# Altium PCB Kasli-DIOT.PCBDOC (part 6 of 21)
Units mm, origin at the board's own origin, x right, y up, seen from the top; angles counter-clockwise.
Board outline 222.34 x 100 mm, 10 copper layers (TopLayer, Layer 2, Layer 3, Layer 4, Layer 5, Layer 6, Layer 7, layer 8, Layer 9, BottomLayer), stack 1.564 mm thick; 974 components, 908 nets, 4662 pads, 2649 vias.
Unrouted connection lines stored in the file: 17.
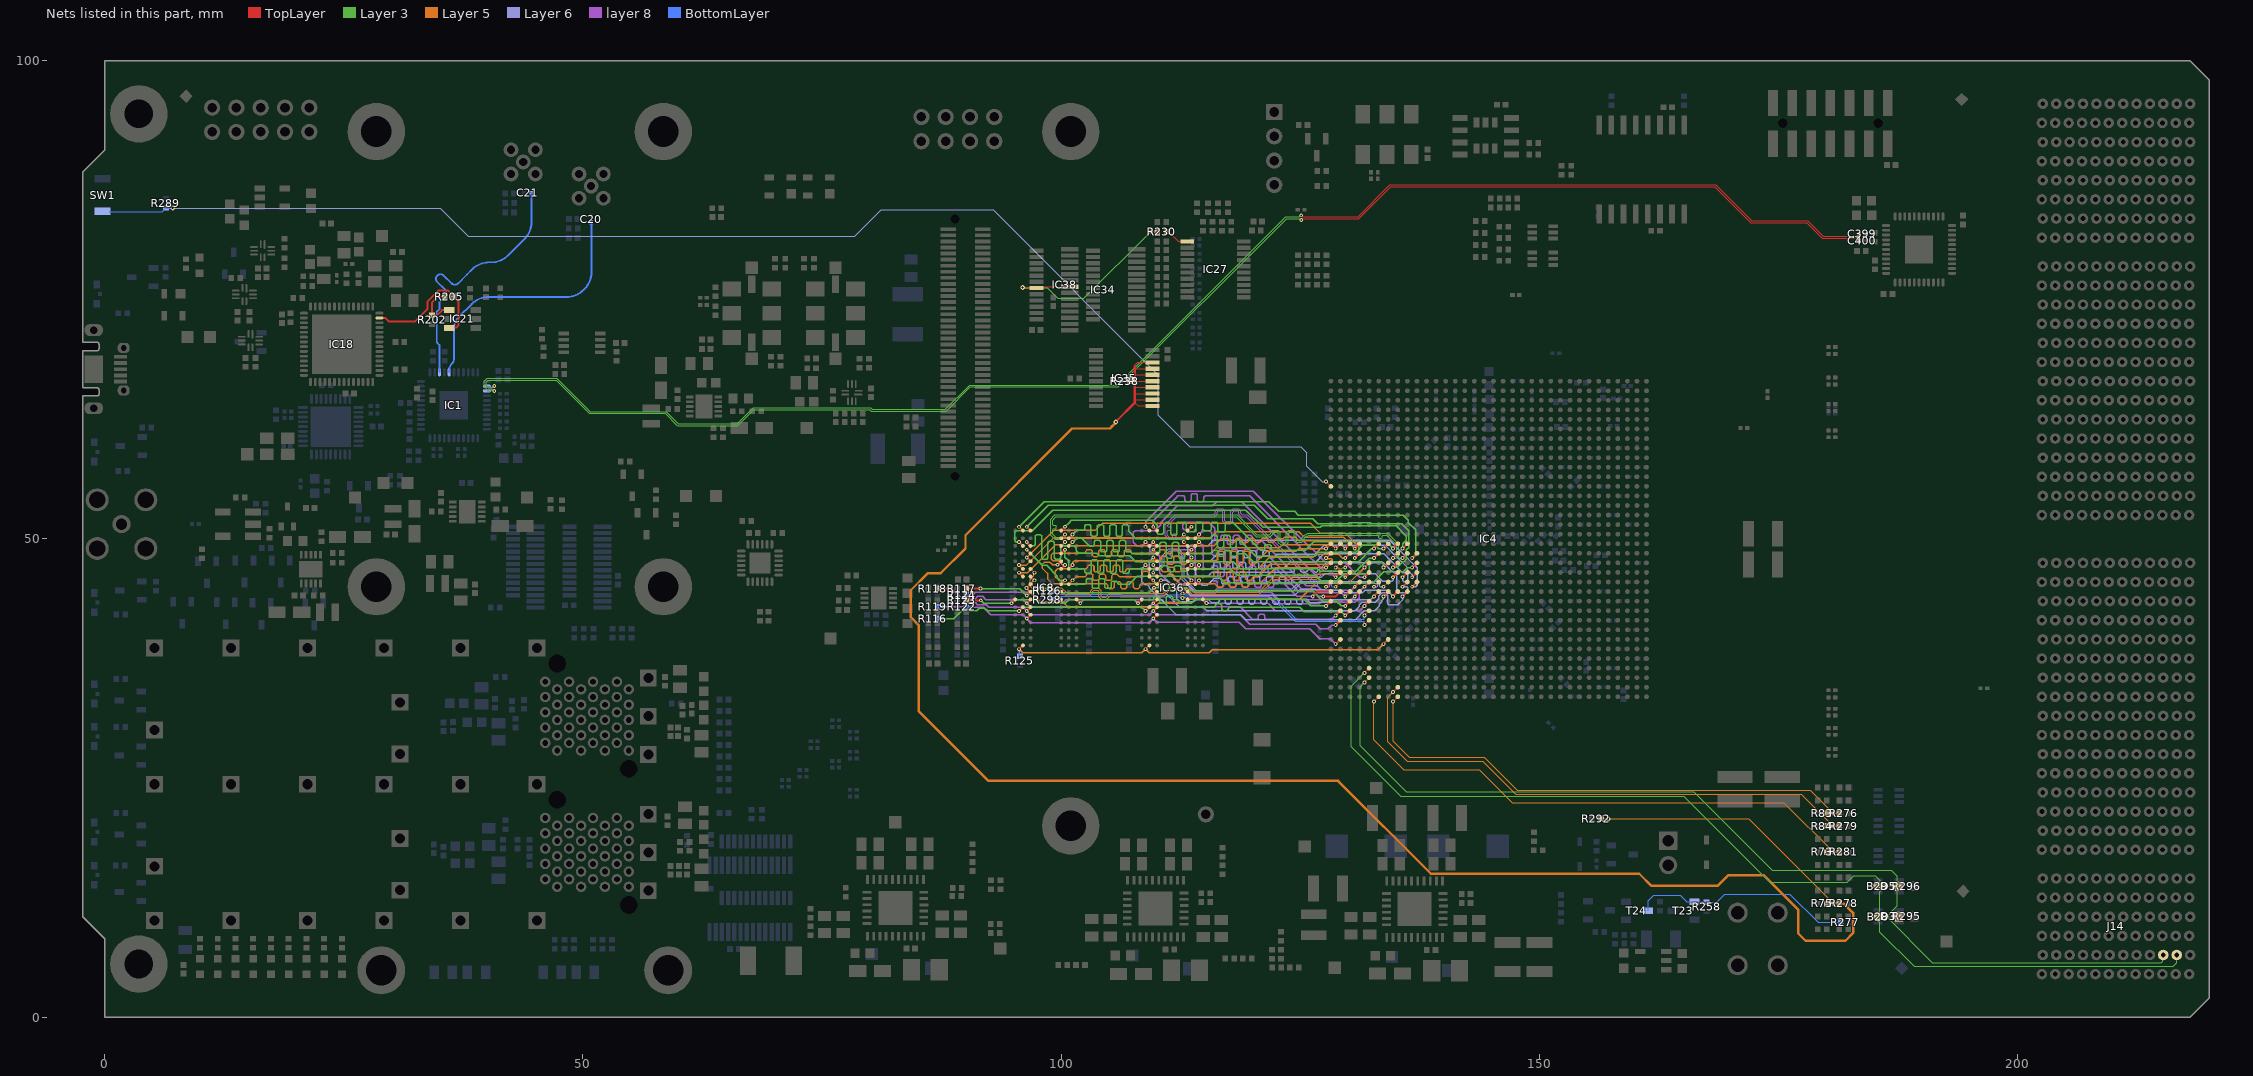
[diagram p14: the nets of this part, all layers, seen from the top]

## Via types
v1: diameter 0.4, hole 0.2, TopLayer to BottomLayer, tented both sides, 1661 vias
v2: diameter 0.5, hole 0.2, TopLayer to BottomLayer, tented both sides, 516 vias
v3: diameter 0.6, hole 0.3, TopLayer to BottomLayer, tented both sides, 175 vias
v4: diameter 0.6, hole 0.3, TopLayer to BottomLayer, 113 vias
v5: diameter 0.5, hole 0.2, TopLayer to BottomLayer, 110 vias
v6: diameter 0.4, hole 0.2, TopLayer to BottomLayer, 67 vias
v7: diameter 0.8, hole 0.5, TopLayer to BottomLayer, tented both sides, 7 vias

## Nets (pads, with @x,y where several pads share a name; then routed paths per layer and width w, separated by ;. In a path a pad name is that pad's centre, name@x,y a point inside that pad or via, vN(x,y) a via of type N, cw(c..) or ccw(c..) an arc to the next point about the centre after c; other vN are vias at no path point) (continued)
DDR_BA2: IC4.AH2 IC8.M3 IC36.M3 R122.1 | length 42.4
  TopLayer w0.22: v1(96.403,41.675) 96.803,42.075 IC8.M3@96.8,42.075 ; v1(109.628,41.675) 110.028,42.075 IC36.M3@110.025,42.075 ; v1(128.7,39) IC4.AH2@129.2,39.5
  layer 8 w0.15: v1(90.668,42.905) 90.714,42.859 91.841,42.859 92.648,42.052 96.026,42.052 v1(96.403,41.675) 96.822,41.255 109.208,41.255 v1(109.628,41.675) 110.002,41.301 118.599,41.301 119.299,40.601 125.999,40.601 127.05,39.55 128.15,39.55 v1(128.7,39)
  BottomLayer w0.22: R122.1@90.09,42.905 v1(90.668,42.905)
DDR_CAS_N: IC4.AE2 IC8.K3 IC36.K3 R118.1 | length 46.3
  TopLayer w0.22: R118.1@87.05,44.81 v1(88.481,44.81) v1@88.55,44.81 ; v1(96.403,43.275) 96.803,43.675 IC8.K3@96.8,43.675 ; v1(109.628,43.275) 110.028,43.675 IC36.K3@110.025,43.675 ; v1(128.7,42) IC4.AE2@129.2,42.5
  layer 8 w0.15: v1@88.599,44.81 88.55,44.81 89.63,43.73 91.03,43.73 91.285,43.985 91.791,43.985 92.108,43.669 96.009,43.669 v1(96.403,43.275) 96.78,42.898 109.251,42.898 v1(109.628,43.275) 110.003,42.9 118.7,42.9 120.002,41.598 120.425,41.598 120.5,41.598 120.632,41.73 120.632,41.997 120.763,42.128 121.158,42.128 121.29,41.997 121.29,41.73 121.421,41.598 122.667,41.598 128.298,41.598 v1(128.7,42)
DDR_CK_N: IC4.AF5 IC8.K7 IC36.K7 R298.1 | length 36.2
  TopLayer w0.12: v1(99.546,43.853) 99.6,43.8 99.799,43.8 99.924,43.675 IC8.K7@100,43.675 ; v1(112.7,43.832) 113.015,43.832 113.172,43.675 IC36.K7@113.225,43.675 ; v1(131.7,41) IC4.AF5@132.2,41.5
  BottomLayer w0.12: R298.1@98.995,43.625 99.223,43.853 v1(99.546,43.853) 99.619,43.853 99.757,43.991 106.131,43.991 106.152,43.97 112.49,43.97 112.627,43.832 v1(112.7,43.832) 112.773,43.832 112.91,43.97 121.93,43.97 124.497,41.403 131.622,41.403 131.7,41.325 v1(131.7,41)
DDR_CK_P: IC4.AE5 IC8.J7 IC36.J7 R126.1 | length 36.2
  TopLayer w0.12: v1(99.546,44.338) 99.6,44.392 99.841,44.392 99.924,44.475 IC8.J7@100,44.475 ; v1(112.7,44.317) 113.015,44.317 113.172,44.475 IC36.J7@113.225,44.475 ; v1(131.7,42) IC4.AE5@132.2,42.5
  BottomLayer w0.12: R126.1@98.995,44.575 98.995,44.568 99.225,44.338 v1(99.546,44.338) 99.619,44.338 99.757,44.201 106.218,44.201 106.239,44.18 112.49,44.18 112.627,44.317 v1(112.7,44.317) 112.773,44.317 112.91,44.18 122.017,44.18 124.584,41.613 131.63,41.613 131.7,41.683 v1(131.7,42)
DDR_CKE: IC4.AD5 IC8.K9 IC36.K9 R124.1 | length 45.2
  TopLayer w0.22: IC8.K9@101.6,43.675 101.6,43.678 v1(102,43.278) ; IC36.K9@114.825,43.675 v1(115.2,43.3) ; v1(131.7,43) IC4.AD5@132.2,43.5
  layer 8 w0.15: v1(90.668,44.132) 90.733,44.132 91.009,44.408 91.736,44.408 91.776,44.448 94.5,44.448 96.808,44.448 97.807,43.448 100.298,43.448 100.488,43.638 101.64,43.638 v1(102,43.278) 102.357,43.635 110.565,43.635 110.8,43.4 113.1,43.4 113.375,43.675 114.825,43.675 v1(115.2,43.3) 121.6,43.3 121.7,43.2 122.4,42.5 129.5,42.5 131.2,42.5 v1(131.7,43)
  BottomLayer w0.22: R124.1@90.09,44.132 v1(90.668,44.132)
DDR_CS_N: IC4.AE3 IC8.L2 IC36.L2 R116.1 | length 46.8
  TopLayer w0.22: v1(95.603,42.475) 96.003,42.875 IC8.L2@96,42.875 ; v1(108.828,42.475) 109.228,42.875 IC36.L2@109.225,42.875 ; v1(129.7,42) IC4.AE3@130.2,42.5
  Layer 3 w0.15: v1(87.628,41.665) 88.778,41.665 89.616,42.503 91.168,42.503 91.423,42.758 92.033,42.758 92.316,42.475 v1(95.603,42.475) 95.983,42.855 108.448,42.855 v1(108.828,42.475) 109.208,42.855 115.925,42.855 116,42.855 116.132,42.986 116.132,43.068 116.263,43.2 116.658,43.2 116.79,43.068 116.79,42.64 116.921,42.509 117.316,42.509 117.448,42.64 117.448,42.723 117.579,42.855 117.6,42.855 117.675,42.855 124.945,42.855 125.4,42.4 127,42.4 127.002,42.402 129.298,42.402 v1(129.7,42)
  BottomLayer w0.22: R116.1@87.05,41.665 v1(87.628,41.665)
DDR_DM0: IC4.AB10 IC36.E7 | length 30.4
  TopLayer w0.22: IC36.E7@113.225,47.675 113.222,47.675 v1(113.622,48.075) ; v1(136.7,45) IC4.AB10@137.2,45.5
  Layer 6 w0.16: v1(113.622,48.075) 113.23,48.468 113.23,49.031 113.564,49.365 114.216,49.365 114.271,49.31 115.373,49.31 115.932,49.869 134.347,49.869 135.2,49.016 135.2,48.984 135.784,48.4 135.816,48.4 136.267,47.949 136.267,47.916 136.684,47.5 136.716,47.5 137.225,46.991 137.225,45.15 137.075,45 v1(136.7,45)
DDR_DM1: IC4.AC1 IC36.D3 | length 29.5
  TopLayer w0.22: v1(109.625,48.872) 110.025,48.472 IC36.D3@110.025,48.475 ; v1(126.3,44) 126.8,44.5 IC4.AC1@128.2,44.5
  layer 8 w0.15: v1(109.625,48.872) 110,49.247 113.778,49.247 114.025,49 114.025,45.55 114.275,45.3 114.561,45.3 114.564,45.297 115.45,45.297 115.525,45.297 115.657,45.429 115.657,45.511 115.788,45.643 116.183,45.643 116.315,45.511 116.315,45.083 116.446,44.951 116.841,44.951 116.973,45.083 116.973,45.511 117.104,45.643 117.499,45.643 117.631,45.511 117.631,45.083 117.762,44.951 118.157,44.951 118.289,45.083 118.289,45.511 118.42,45.643 118.815,45.643 118.947,45.511 118.947,45.083 119.078,44.951 119.473,44.951 119.605,45.083 119.605,45.511 119.736,45.643 120.131,45.643 120.263,45.511 120.263,45.083 120.394,44.951 120.789,44.951 120.921,45.083 120.921,45.511 121.052,45.643 121.447,45.643 121.579,45.511 121.579,45.083 121.71,44.951 122.105,44.951 122.237,45.083 122.237,45.511 122.368,45.643 122.763,45.643 122.895,45.511 122.895,45.429 123.026,45.297 123.209,45.297 123.328,45.297 124.625,44 v1(126.3,44)
DDR_DM2: IC4.Y1 IC8.E7 | length 38.9
  TopLayer w0.22: v1(99.6,47.3) 99.613,47.3 99.987,47.675 IC8.E7@100,47.675 ; v1(127.7,47) IC4.Y1@128.2,47.5
  Layer 5 w0.16: v1(99.6,47.3) 99.118,47.3 98.868,47.55 98.225,47.55 98,47.325 98,46.975 98.575,46.4 98.575,45.825 99.102,45.298 104.221,45.298 104.744,45.298 104.877,45.164 104.877,44.948 105.011,44.814 105.412,44.814 105.545,44.948 105.545,45.398 105.679,45.532 106.08,45.532 106.213,45.398 106.213,44.948 106.347,44.814 106.748,44.814 106.881,44.948 106.881,45.398 107.015,45.532 107.416,45.532 107.549,45.398 107.549,44.948 107.683,44.814 108.084,44.814 108.217,44.948 108.217,45.164 108.351,45.298 108.431,45.298 114.275,45.298 114.281,45.305 114.563,45.305 114.57,45.298 115.35,45.298 116.098,45.298 116.232,45.164 116.232,45.085 116.365,44.952 116.766,44.952 116.9,45.085 116.9,45.17 117.033,45.303 117.434,45.303 117.568,45.17 117.568,45.085 117.701,44.952 118.102,44.952 118.236,45.085 118.236,45.17 118.369,45.303 118.77,45.303 118.904,45.17 118.904,45.085 119.037,44.952 119.438,44.952 119.572,45.085 119.572,45.164 119.705,45.298 119.817,45.298 120.723,45.298 122.425,47 v1(127.7,47)
DDR_DM3: IC4.Y10 IC8.D3 | length 48.3
  TopLayer w0.22: v1(96.4,48.872) 96.8,48.472 IC8.D3@96.8,48.475 ; v1(136.7,47) IC4.Y10@137.2,47.5
  Layer 3 w0.15: v1(96.4,48.872) 98.022,47.25 98.475,47.25 99.6,46.125 99.6,45.95 100.3,45.25 102.4,45.25 102.475,45.25 102.607,45.382 102.607,45.718 102.738,45.85 103.133,45.85 103.265,45.718 103.265,44.974 103.396,44.842 103.791,44.842 103.923,44.974 103.923,45.718 104.054,45.85 104.449,45.85 104.581,45.718 104.581,44.974 104.712,44.842 105.107,44.842 105.239,44.974 105.239,45.458 105.37,45.59 105.765,45.59 105.897,45.458 105.897,45.382 106.028,45.25 106.469,45.25 107.125,45.25 107.665,45.79 107.665,45.821 107.944,46.1 116.425,46.1 117.12,45.405 132.614,45.405 133.06,45.851 133.06,45.869 133.742,46.551 135.76,46.551 136.209,47 v1(136.7,47)
DDR_DQ0: IC4.AC8 IC36.E3 | length 30.3
  TopLayer w0.22: v1(109.625,48.072) 110.025,47.672 IC36.E3@110.025,47.675 ; v1(134.7,44) IC4.AC8@135.2,44.5
  Layer 6 w0.16: v1(109.625,48.072) 109.2,47.647 109.2,46.342 109.442,46.1 111.589,46.1 113.589,44.1 124.4,44.1 125,44.7 127.484,44.7 127.549,44.635 129.36,44.635 129.595,44.4 131.531,44.4 131.766,44.635 134.065,44.635 v1(134.7,44)
DDR_DQ1: IC4.AA10 IC36.F7 | length 31.1
  TopLayer w0.22: IC36.F7@113.225,46.875 113.222,46.875 v1(113.622,47.275) ; v1(136.7,46) IC4.AA10@137.2,46.5
  Layer 6 w0.16: v1(113.622,47.275) 114.022,47.675 115.575,47.675 116.3,48.4 116.85,48.4 116.93,48.4 117.064,48.534 117.064,48.612 117.197,48.746 117.598,48.746 117.732,48.612 117.732,48.188 117.865,48.054 118.266,48.054 118.4,48.188 118.4,48.612 118.533,48.746 118.934,48.746 119.068,48.612 119.068,48.188 119.201,48.054 119.602,48.054 119.736,48.188 119.736,48.612 119.869,48.746 120.27,48.746 120.404,48.612 120.404,48.188 120.537,48.054 120.938,48.054 121.072,48.188 121.072,48.612 121.205,48.746 121.606,48.746 121.74,48.612 121.74,48.188 121.873,48.054 122.274,48.054 122.408,48.188 122.408,48.266 122.541,48.4 122.771,48.4 126.55,48.4 127.515,49.365 133.851,49.365 134.317,48.899 134.317,48.866 134.784,48.4 134.816,48.4 135.182,48.034 135.182,48.001 135.549,47.635 135.581,47.635 136.2,47.016 136.2,46.775 136.686,46.289 136.686,46.014 v1(136.7,46)
DDR_DQ2: IC4.AC7 IC36.F2 | length 31.5
  TopLayer w0.22: v1(108.825,47.272) 109.225,46.872 IC36.F2@109.225,46.875 ; v1(133.7,44) IC4.AC7@134.2,44.5
  Layer 6 w0.16: v1(108.825,47.272) 108.439,46.886 108.439,45.542 108.744,45.237 108.976,45.237 109.19,45.023 109.19,44.894 109.549,44.535 109.559,44.535 111.998,42.096 118.779,42.096 119.307,41.568 130.805,41.568 131.201,41.963 131.201,42.017 131.684,42.5 132.776,42.5 133.264,42.988 133.264,43.139 133.5,43.376 133.5,43.55 133.674,43.724 133.674,43.974 v1(133.7,44)
DDR_DQ3: IC4.AA9 IC36.F8 | length 31.5
  TopLayer w0.22: IC36.F8@114.025,46.875 114.022,46.875 v1(114.422,47.275) ; v1(135.7,46) IC4.AA9@136.2,46.5
  Layer 6 w0.16: v1(114.422,47.275) 114.443,47.254 114.443,46.958 114.537,46.864 115.676,46.864 115.746,46.935 115.826,46.935 115.96,47.069 115.96,47.426 116.093,47.56 116.494,47.56 116.628,47.426 116.628,47.044 116.761,46.911 117.162,46.911 117.296,47.044 117.296,47.426 117.429,47.56 117.83,47.56 117.964,47.426 117.964,47.044 118.097,46.911 118.498,46.911 118.632,47.044 118.632,47.426 118.765,47.56 119.166,47.56 119.3,47.426 119.3,47.044 119.433,46.911 119.834,46.911 119.968,47.044 119.968,47.426 120.101,47.56 120.502,47.56 120.636,47.426 120.636,47.044 120.769,46.911 121.17,46.911 121.304,47.044 121.304,47.426 121.437,47.56 121.838,47.56 121.972,47.426 121.972,47.069 122.105,46.935 123.282,46.935 123.924,47.577 126.618,47.577 127.493,48.452 133.765,48.452 134.147,48.069 134.147,48.037 134.607,47.577 134.639,47.577 135.172,47.045 135.172,46.999 135.7,46.47 136.055,46.47 136.225,46.3 136.225,45.675 136.076,45.526 135.827,45.526 135.734,45.619 135.734,45.966 v1(135.7,46)
DDR_DQ4: IC4.AC6 IC36.H3 | length 30.5
  TopLayer w0.22: IC36.H3@110.025,45.272 IC36.H3@110.025,45.275 v1(110.425,45.675) ; v1(132.7,44) IC4.AC6@133.2,44.5
  Layer 6 w0.16: v1@110.425,45.672 111.028,45.672 112.1,44.6 112.1,43.7 112.367,43.433 113.803,43.433 114.035,43.665 115.41,43.665 115.732,43.343 116.289,43.343 116.369,43.343 116.524,43.499 116.524,43.554 116.68,43.71 116.991,43.71 117.146,43.554 117.146,43.355 117.302,43.2 117.613,43.2 117.768,43.355 117.768,43.554 117.924,43.71 118.235,43.71 118.39,43.554 118.39,43.355 118.546,43.2 118.857,43.2 119.012,43.355 119.012,43.554 119.168,43.71 119.479,43.71 119.634,43.554 119.634,43.355 119.79,43.2 120.101,43.2 120.256,43.355 120.256,43.554 120.412,43.71 120.723,43.71 120.878,43.554 120.878,43.355 121.034,43.2 121.345,43.2 121.5,43.355 121.5,43.554 121.656,43.71 121.967,43.71 122.122,43.554 122.122,43.355 122.278,43.2 122.589,43.2 122.744,43.355 122.744,43.554 122.9,43.71 123.211,43.71 123.366,43.554 123.366,43.355 123.522,43.2 123.833,43.2 123.988,43.355 123.988,43.554 124.144,43.71 124.455,43.71 124.61,43.554 124.61,43.355 124.766,43.2 125.077,43.2 125.232,43.355 125.232,43.554 125.388,43.71 125.699,43.71 125.854,43.554 125.854,43.499 126.01,43.343 126.53,43.343 126.851,43.343 126.908,43.4 128.13,43.4 128.365,43.635 132.335,43.635 v1(132.7,44)
DDR_DQ5: IC4.AA8 IC36.H8 | length 30.5
  TopLayer w0.22: IC36.H8@114.025,45.275 114.022,45.275 v1(114.422,45.675) ; v1(134.7,46) IC4.AA8@135.2,46.5
  Layer 6 w0.16: v1(114.422,45.675) 114.468,45.629 114.468,45.428 114.567,45.33 114.573,45.33 114.753,45.15 115.25,45.15 115.927,45.827 115.975,45.875 116.675,45.875 116.775,45.775 116.775,45.396 116.875,45.295 117.343,45.295 117.443,45.396 117.443,45.96 117.543,46.06 118.011,46.06 118.111,45.96 118.111,45.396 118.211,45.295 118.679,45.295 118.779,45.396 118.779,45.96 118.879,46.06 119.347,46.06 119.447,45.96 119.447,45.396 119.547,45.295 120.015,45.295 120.115,45.396 120.115,45.96 120.215,46.06 120.683,46.06 120.783,45.96 120.783,45.396 120.883,45.295 121.351,45.295 121.451,45.396 121.451,45.96 121.551,46.06 122.019,46.06 122.119,45.96 122.119,45.396 122.219,45.295 122.687,45.295 122.787,45.396 122.787,45.96 122.887,46.06 123.355,46.06 123.455,45.96 123.455,45.396 123.555,45.295 124.023,45.295 124.123,45.396 124.123,45.88 124.223,45.98 124.371,45.98 127.164,45.98 127.549,46.365 132.851,46.365 133.065,46.151 133.065,46.11 133.575,45.6 134.606,45.6 134.7,45.694 v1(134.7,46)
DDR_DQ6: IC4.AC9 IC36.G2 | length 31.2
  TopLayer w0.22: IC36.G2@109.225,46.075 v1(109.625,45.675) ; v1(135.7,44) IC4.AC9@136.2,44.5
  Layer 6 w0.16: v1@109.687,45.566 112.053,43.2 112.373,42.88 114.845,42.88 115.25,42.475 130.683,42.475 130.762,42.555 130.792,42.555 131.174,42.937 131.174,43.097 131.277,43.2 131.456,43.379 132.829,43.379 133.216,43.766 133.216,44.032 133.549,44.365 133.851,44.365 134.146,44.07 134.146,43.229 134.25,43.125 135.194,43.125 135.7,43.631 v1(135.7,44)
DDR_DQ7: IC4.AB9 IC36.H7 | length 31
  TopLayer w0.22: IC36.H7@113.225,45.275 113.222,45.275 v1(113.622,45.675) ; v1(135.7,45) IC4.AB9@136.2,45.5
  Layer 6 w0.16: v1(113.622,45.675) 113.35,45.947 113.35,46.188 113.175,46.363 113.175,46.625 113.431,46.881 113.844,46.881 114.05,46.675 114.05,46.335 114.057,46.328 114.057,46.324 114.271,46.11 115.373,46.11 115.587,46.324 115.587,46.359 115.728,46.5 124.179,46.5 124.259,46.5 124.392,46.634 124.392,46.892 124.526,47.025 124.927,47.025 125.06,46.892 125.06,46.632 125.194,46.498 125.595,46.498 125.728,46.632 125.728,46.685 125.862,46.819 126.263,46.819 126.396,46.685 126.396,46.669 126.53,46.535 126.719,46.535 126.849,46.666 127.684,47.5 133.716,47.5 134.2,47.016 134.2,46.984 134.549,46.635 134.665,46.635 135.05,46.25 135.05,46.166 135.075,46.141 135.075,44.575 135.275,44.375 136.05,44.375 136.25,44.575 136.25,44.931 136.156,45.025 135.725,45.025 v1(135.7,45)
DDR_DQ8: IC4.AC4 IC36.D7 | length 29.1
  TopLayer w0.22: IC36.D7@113.225,48.475 113.222,48.475 v1(113.622,48.875) ; v1(130.7,44) IC4.AC4@131.2,44.5
  layer 8 w0.15: v1(113.622,48.875) 111.725,48.875 111.425,48.575 111.425,48.304 111.557,48.173 112.537,48.173 112.669,48.041 112.669,47.646 112.537,47.515 111.211,47.515 111.079,47.383 111.079,46.988 111.211,46.857 111.293,46.857 111.425,46.725 111.425,46.65 111.425,46.35 112.6,45.175 113.325,45.175 114.05,44.45 121.95,44.45 122.76,43.64 130.34,43.64 v1(130.7,44)
DDR_DQ9: IC4.AB5 IC36.C3 | length 29.3
  TopLayer w0.22: v1(109.625,49.672) 110.025,49.272 IC36.C3@110.025,49.275 ; v1(131.7,45) IC4.AB5@132.2,45.5
  layer 8 w0.15: v1(109.625,49.672) 109.24,49.288 109.24,48.748 109.501,48.487 109.988,48.487 110.3,48.175 110.3,46.4 111.975,44.725 112.95,44.725 113.65,44.025 121.675,44.025 122.5,43.2 127,43.2 127.175,43.375 130.71,43.375 131.176,43.841 131.176,44.476 v1(131.7,45)
DDR_DQ10: IC4.AC2 IC36.C8 | length 28.9
  TopLayer w0.22: IC36.C8@114.025,49.275 114.022,49.275 v1(114.422,49.675) ; v1(127.4,44) 128.7,44 IC4.AC2@129.2,44.5
  layer 8 w0.15: v1(114.422,49.675) 114.853,49.244 114.853,47.004 115.018,46.839 115.521,46.839 115.596,46.839 115.728,46.971 115.728,47.054 115.859,47.185 116.254,47.185 116.386,47.054 116.386,46.181 116.517,46.049 116.912,46.049 117.044,46.181 117.044,47.054 117.175,47.185 117.57,47.185 117.702,47.054 117.702,46.181 117.833,46.049 118.228,46.049 118.36,46.181 118.36,47.054 118.491,47.185 118.886,47.185 119.018,47.054 119.018,46.181 119.149,46.049 119.544,46.049 119.676,46.181 119.676,47.054 119.807,47.185 120.202,47.185 120.334,47.054 120.334,46.181 120.465,46.049 120.86,46.049 120.992,46.181 120.992,47.054 121.123,47.185 121.518,47.185 121.65,47.054 121.65,46.181 121.781,46.049 122.176,46.049 122.308,46.181 122.308,46.708 122.439,46.839 122.544,46.839 122.561,46.839 124.9,44.5 126.3,44.5 126.44,44.36 126.449,44.36 126.809,44 v1(127.4,44)
DDR_DQ11: IC4.AA2 IC36.C2 | length 29.8
  TopLayer w0.22: v1(108.825,49.672) 109.225,49.272 IC36.C2@109.225,49.275 ; v1(128.7,46) IC4.AA2@129.2,46.5
  layer 8 w0.15: v1(108.825,49.672) 108.46,49.308 107.879,49.308 107.55,49.637 107.55,50.7 107.725,50.875 109.764,50.875 110.4,51.511 110.4,51.7 112.15,53.45 115.8,53.45 116.25,53.9 118.9,53.9 126.5,46.3 127.491,46.3 127.551,46.36 127.94,46.36 128.02,46.28 128.379,46.28 128.659,46 v1(128.7,46)
DDR_DQ12: IC4.AB4 IC36.A7 | length 29
  TopLayer w0.22: IC36.A7@113.225,50.875 113.222,50.875 v1(113.622,51.275) ; v1(130.7,45) IC4.AB4@131.2,45.5
  layer 8 w0.15: v1(113.622,51.275) 113.297,50.95 112.875,50.95 112.7,51.125 112.7,51.475 112.975,51.75 115.425,51.75 116.05,51.125 116.05,50.025 116.262,49.813 116.475,49.813 116.55,49.813 116.682,49.944 116.682,50.241 116.813,50.372 117.208,50.372 117.34,50.241 117.34,49.598 117.471,49.467 117.866,49.467 117.998,49.598 117.998,50.241 118.129,50.372 118.524,50.372 118.656,50.241 118.656,49.598 118.787,49.467 119.182,49.467 119.314,49.598 119.314,50.241 119.445,50.372 119.84,50.372 119.972,50.241 119.972,49.598 120.103,49.467 120.498,49.467 120.63,49.598 120.63,49.681 120.761,49.813 120.937,49.813 120.956,49.794 125.65,45.1 126.8,45.1 127.26,44.64 128.992,44.64 128.997,44.635 130.335,44.635 v1(130.7,45)
DDR_DQ13: IC4.AA5 IC36.A2 | length 29.7
  TopLayer w0.22: v1(108.825,51.272) 109.225,50.872 IC36.A2@109.225,50.875 ; v1(131.7,46) IC4.AA5@132.2,46.5
  layer 8 w0.15: v1(108.825,51.272) 108.825,51.776 112.049,55 120.1,55 126.14,48.96 126.231,48.96 127.551,47.64 129.569,47.64 130.06,47.149 130.06,47.131 130.551,46.64 130.56,46.64 131.2,46 v1(131.7,46)
DDR_DQ14: IC4.AC3 IC36.B8 | length 29.1
  TopLayer w0.22: IC36.B8@114.028,50.075 IC36.B8@114.025,50.075 v1(114.425,50.475) ; v1(129.7,44) IC4.AC3@130.2,44.5
  layer 8 w0.15: v1(114.425,50.475) 114.822,50.872 115.488,50.872 115.725,50.635 115.725,48.442 115.942,48.225 116.275,48.225 116.35,48.225 116.482,48.357 116.482,48.777 116.613,48.909 117.008,48.909 117.14,48.777 117.14,47.68 117.271,47.548 117.666,47.548 117.798,47.68 117.798,48.777 117.929,48.909 118.324,48.909 118.456,48.777 118.456,47.68 118.587,47.548 118.982,47.548 119.114,47.68 119.114,48.777 119.245,48.909 119.64,48.909 119.772,48.777 119.772,47.68 119.903,47.548 120.298,47.548 120.43,47.68 120.43,48.777 120.561,48.909 120.956,48.909 121.088,48.777 121.088,48.357 121.219,48.225 121.447,48.225 121.675,48.225 125.1,44.8 126.5,44.8 126.9,44.4 129.3,44.4 v1(129.7,44)
DDR_DQ15: IC4.AA3 IC36.A3 | length 28.9
  TopLayer w0.22: v1(109.625,51.272) 110.025,50.872 IC36.A3@110.025,50.875 ; v1(129.7,46) IC4.AA3@130.2,46.5
  layer 8 w0.15: v1(109.625,51.272) 109.625,51.925 112.071,54.371 112.2,54.5 112.804,54.5 112.936,54.368 112.936,54.032 113.068,53.9 113.462,53.9 113.594,54.032 113.594,54.615 113.726,54.747 114.12,54.747 114.252,54.615 114.252,54.032 114.384,53.9 114.778,53.9 114.91,54.032 114.91,54.368 115.042,54.5 116.41,54.5 119.7,54.5 124.952,49.248 124.952,49.139 127.491,46.6 129.1,46.6 v1(129.7,46)
DDR_DQ16: IC4.W4 IC8.E3 | length 39.9
  TopLayer w0.22: v1(96.4,48.072) 96.8,47.672 IC8.E3@96.8,47.675 ; v1(130.7,48) IC4.W4@131.2,48.5
  Layer 5 w0.16: v1(96.4,48.072) 99.226,50.898 103.546,50.898 104.271,51.623 107.398,51.623 107.415,51.64 126.06,51.64 127.122,50.578 129.736,50.578 131.117,49.198 131.117,48.417 v1(130.7,48)
DDR_DQ17: IC4.V2 IC8.F7 | length 38.4
  TopLayer w0.22: IC8.F7@100,46.875 99.997,46.875 v1(100.397,47.275) ; v1(128.7,49) IC4.V2@129.2,49.5
  Layer 5 w0.16: v1(100.397,47.275) 100.38,47.292 100.148,47.292 99.74,47.7 99.175,47.7 98.95,47.925 98.95,48.325 99.135,48.51 102.148,48.51 102.168,48.529 102.361,48.529 102.375,48.515 102.455,48.515 102.589,48.649 102.589,48.728 102.722,48.861 103.123,48.861 103.257,48.728 103.257,48.287 103.39,48.153 103.791,48.153 103.925,48.287 103.925,48.728 104.058,48.861 104.459,48.861 104.593,48.728 104.593,48.287 104.726,48.153 105.127,48.153 105.261,48.287 105.261,48.728 105.394,48.861 105.795,48.861 105.929,48.728 105.929,48.287 106.062,48.153 106.463,48.153 106.597,48.287 106.597,48.728 106.73,48.861 107.131,48.861 107.265,48.728 107.265,48.649 107.398,48.515 107.714,48.515 107.749,48.48 109.989,48.48 110.025,48.515 110.105,48.515 110.239,48.649 110.239,48.728 110.372,48.861 110.773,48.861 110.907,48.728 110.907,48.581 111.04,48.448 111.441,48.448 111.575,48.581 111.575,48.728 111.708,48.861 112.109,48.861 112.243,48.728 112.243,48.649 112.376,48.515 112.95,48.515 112.962,48.504 115.654,48.504 116.25,49.1 122.831,49.1 123.131,49.4 128.3,49.4 v1(128.7,49)
DDR_DQ18: IC4.V4 IC8.F2 | length 38.5
  TopLayer w0.22: v1(95.6,47.272) 96,46.872 IC8.F2@96,46.875 ; v1(130.7,49) IC4.V4@131.2,49.5
  Layer 5 w0.16: v1(95.6,47.272) 96.372,47.272 99.2,50.1 115.6,50.1 116.249,50.749 124.851,50.749 125.4,50.2 129.5,50.2 v1(130.7,49)
DDR_DQ19: IC4.V1 IC8.F8 | length 38.4